# Altium PCB XTIDA-010086.PcbDoc (part 15 of 17)
Units mm, origin at the board's own origin, x right, y up, seen from the top; angles counter-clockwise.
Board outline 375 x 210 mm, 6 copper layers (Top Layer, GND Layer, Signal Layer 1, Signal Layer 2, Power Layer, Bottom Layer), stack 1.575 mm thick; 1884 components, 1036 nets, 4948 pads, 6791 vias.
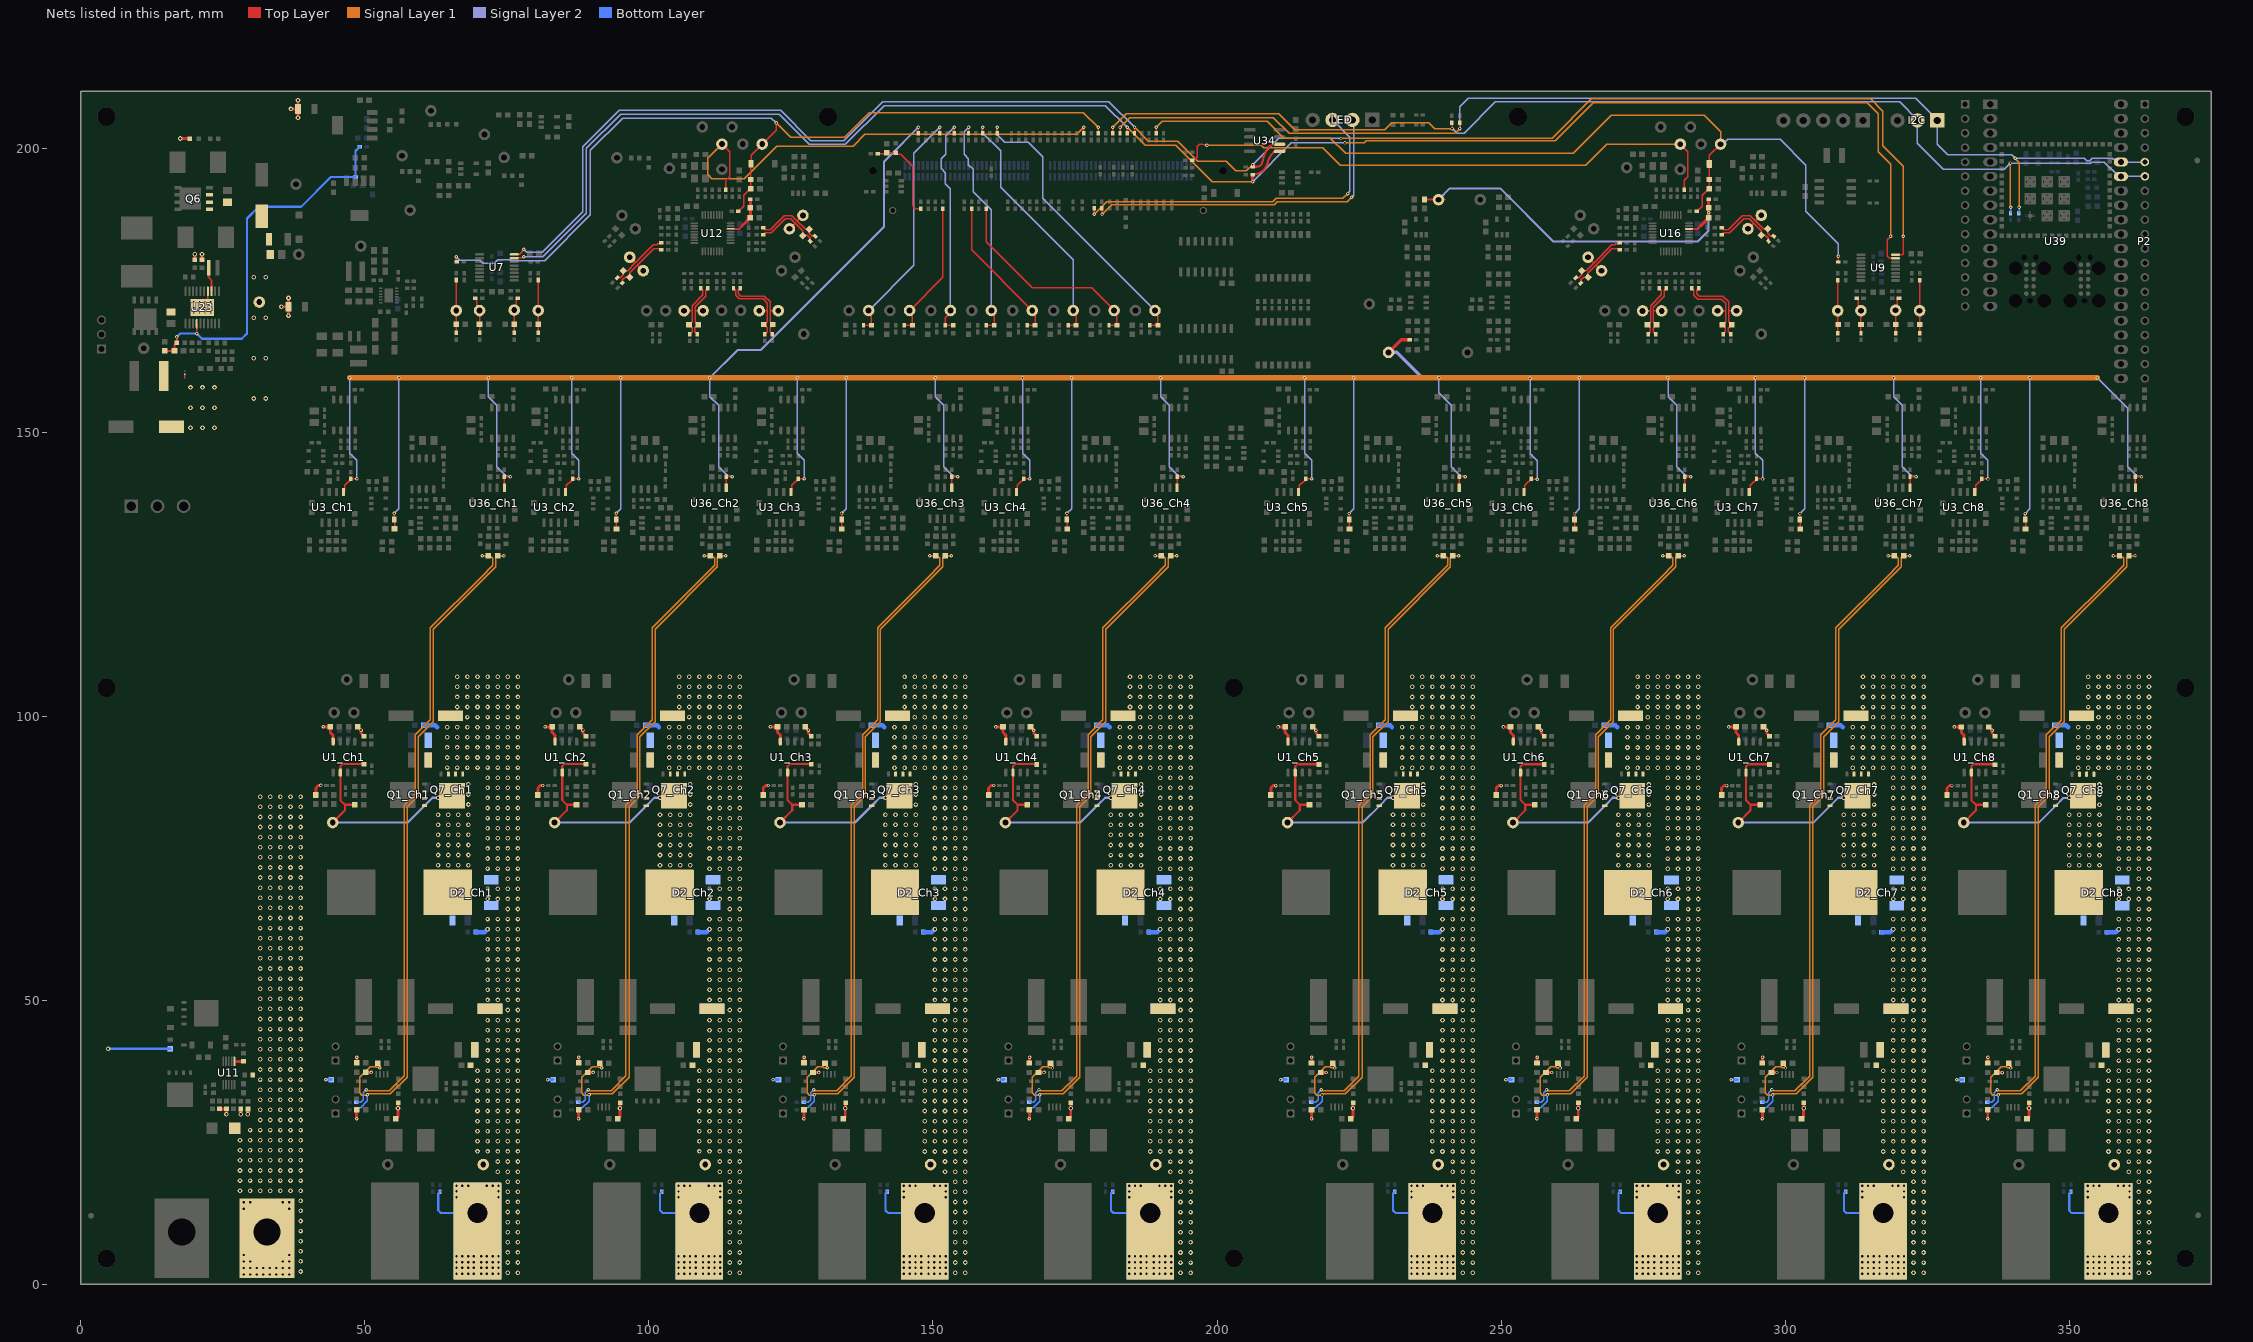
[diagram p19: the nets of this part, all layers, seen from the top]

## Via types
v1: diameter 0.813, hole 0.4, Top Layer to Bottom Layer, tented both sides, 4738 vias
v2: diameter 0.61, hole 0.3, Top Layer to Bottom Layer, tented both sides, 1254 vias
v3: diameter 0.813, hole 0.406, Top Layer to Bottom Layer, 728 vias
v4: diameter 0.5, hole 0.2, Top Layer to Bottom Layer, 40 vias
v5: diameter 5.45, hole 3.556, Top Layer to Bottom Layer, 16 vias
v6: diameter 5/3.65/3.65/3.65/3.65/5 (per signal layer), hole 3.2, Top Layer to Bottom Layer, 12 vias
v7: diameter 0.813, hole 0.4, Top Layer to Bottom Layer, 3 vias

## Nets (pads, with @x,y where several pads share a name; then routed paths per layer and width w, separated by ;. In a path a pad name is that pad's centre, name@x,y a point inside that pad or via, vN(x,y) a via of type N, cw(c..) or ccw(c..) an arc to the next point about the centre after c; other vN are vias at no path point) (continued)
PGND: (continued)
  other v3: 28.685,1.716 29.828,1.716 30.971,1.716 32.114,1.716 33.257,1.716 34.4,1.716 35.543,1.716 36.686,1.716 273.906,1.844 274.922,1.844 275.938,1.844 276.954,1.844 278.224,1.844 279.24,1.844 280.256,1.844 281.272,1.844 313.581,1.842 314.597,1.842 315.613,1.842 316.629,1.842 317.899,1.842 318.915,1.842 319.931,1.842 320.947,1.842 353.256,1.84 354.272,1.84 355.288,1.84 356.304,1.84 357.574,1.84 358.59,1.84 359.606,1.84 360.622,1.84 66.142,1.854 67.158,1.854 68.174,1.854 69.19,1.854 70.46,1.854 71.476,1.854 72.492,1.854 73.508,1.854 105.207,1.852 106.223,1.852 107.239,1.852 108.255,1.852 109.525,1.852 110.541,1.852 111.557,1.852 112.573,1.852 144.882,1.85 145.898,1.85 146.914,1.85 147.93,1.85 149.2,1.85 150.216,1.85 151.232,1.85 152.248,1.85 184.556,1.848 185.572,1.848 186.588,1.848 187.604,1.848 188.874,1.848 189.89,1.848 190.906,1.848 191.922,1.848 234.231,1.846 235.247,1.846 236.263,1.846 237.279,1.846 238.549,1.846 239.565,1.846 240.581,1.846 241.597,1.846 28.685,2.859 29.828,2.859 30.971,2.859 32.114,2.859 33.257,2.859 34.4,2.859 35.543,2.859 36.686,2.859 273.906,2.86 274.922,2.86 275.938,2.86 276.954,2.86 278.224,2.86 279.24,2.86 280.256,2.86 281.272,2.86 313.581,2.858 314.597,2.858 315.613,2.858 316.629,2.858 317.899,2.858 318.915,2.858 319.931,2.858 320.947,2.858 353.256,2.856 354.272,2.856 355.288,2.856 356.304,2.856 357.574,2.856 358.59,2.856 359.606,2.856 360.622,2.856 66.142,2.87 67.158,2.87 68.174,2.87 69.19,2.87 70.46,2.87 71.476,2.87 72.492,2.87 73.508,2.87 105.207,2.868 106.223,2.868 107.239,2.868 108.255,2.868 109.525,2.868 110.541,2.868 111.557,2.868 112.573,2.868 144.882,2.866 145.898,2.866 146.914,2.866 147.93,2.866 149.2,2.866 150.216,2.866 151.232,2.866 152.248,2.866 184.556,2.864 185.572,2.864 186.588,2.864 187.604,2.864 188.874,2.864 189.89,2.864 190.906,2.864 191.922,2.864 234.231,2.862 235.247,2.862 236.263,2.862 237.279,2.862 238.549,2.862 239.565,2.862 240.581,2.862 241.597,2.862 273.906,3.876 274.922,3.876 275.938,3.876 276.954,3.876 278.224,3.876 279.24,3.876 280.256,3.876 281.272,3.876 313.581,3.874 314.597,3.874 315.613,3.874 316.629,3.874 317.899,3.874 318.915,3.874 319.931,3.874 320.947,3.874 353.256,3.872 354.272,3.872 355.288,3.872 356.304,3.872 357.574,3.872 358.59,3.872 359.606,3.872 360.622,3.872 66.142,3.886 67.158,3.886 68.174,3.886 69.19,3.886 70.46,3.886 71.476,3.886 72.492,3.886 73.508,3.886 105.207,3.884 106.223,3.884 107.239,3.884 108.255,3.884 109.525,3.884 110.541,3.884 111.557,3.884 112.573,3.884 144.882,3.882 145.898,3.882 146.914,3.882 147.93,3.882 149.2,3.882 150.216,3.882 151.232,3.882 152.248,3.882 184.556,3.88 185.572,3.88 186.588,3.88 187.604,3.88 188.874,3.88 189.89,3.88 190.906,3.88 191.922,3.88 234.231,3.878 235.247,3.878 236.263,3.878 237.279,3.878 238.549,3.878 239.565,3.878 240.581,3.878 241.597,3.878 28.685,4.002 29.828,4.002 35.543,4.002 36.686,4.002 273.906,4.892 274.922,4.892 275.938,4.892 276.954,4.892 278.224,4.892 279.24,4.892 280.256,4.892 281.272,4.892 313.581,4.89 314.597,4.89 315.613,4.89 316.629,4.89 317.899,4.89 318.915,4.89 319.931,4.89 320.947,4.89 353.256,4.888 354.272,4.888 355.288,4.888 356.304,4.888 357.574,4.888 358.59,4.888 359.606,4.888 360.622,4.888 66.142,4.902 67.158,4.902 68.174,4.902 69.19,4.902 70.46,4.902 71.476,4.902 72.492,4.902 73.508,4.902 105.207,4.9 106.223,4.9 107.239,4.9 108.255,4.9 109.525,4.9 110.541,4.9 111.557,4.9 112.573,4.9 144.882,4.898 145.898,4.898 146.914,4.898 147.93,4.898 149.2,4.898 150.216,4.898 151.232,4.898 152.248,4.898 184.556,4.896 185.572,4.896 186.588,4.896 187.604,4.896 188.874,4.896 189.89,4.896 190.906,4.896 191.922,4.896 234.231,4.894 235.247,4.894 236.263,4.894 237.279,4.894 238.549,4.894 239.565,4.894 240.581,4.894 241.597,4.894 28.685,5.145 36.686,5.145 28.685,13.273 36.686,13.273 28.685,14.416 29.828,14.416 35.543,14.416 36.686,14.416 273.906,15.306 281.272,15.306 313.581,15.304 320.947,15.304 353.256,15.302 360.622,15.302 66.142,15.316 73.508,15.316 105.207,15.314 112.573,15.314 144.882,15.312 152.248,15.312 184.556,15.31 191.922,15.31 234.231,15.308 241.597,15.308 273.906,16.322 281.272,16.322 313.581,16.32 320.947,16.32 353.256,16.318 360.622,16.318 66.142,16.332 73.508,16.332 105.207,16.33 112.573,16.33 144.882,16.328 152.248,16.328 184.556,16.326 191.922,16.326 234.231,16.324 241.597,16.324 273.906,17.338 274.922,17.338 275.938,17.338 279.24,17.338 280.256,17.338 281.272,17.338 313.581,17.336 314.597,17.336 315.613,17.336 318.915,17.336 319.931,17.336 320.947,17.336 353.256,17.334 354.272,17.334 355.288,17.334 358.59,17.334 359.606,17.334 360.622,17.334 66.142,17.348 67.158,17.348 68.174,17.348 71.476,17.348 72.492,17.348 73.508,17.348 105.207,17.346 106.223,17.346 107.239,17.346 110.541,17.346 111.557,17.346 112.573,17.346 144.882,17.344 145.898,17.344 146.914,17.344 150.216,17.344 151.232,17.344 152.248,17.344 184.556,17.342 185.572,17.342 186.588,17.342 189.89,17.342 190.906,17.342 191.922,17.342 234.231,17.34 235.247,17.34 236.263,17.34 239.565,17.34 240.581,17.34 241.597,17.34
  other v4: 19.874,170.95 20.874,170.95 21.874,170.95 22.874,170.95 19.874,171.95 20.874,171.95 21.874,171.95 22.874,171.95 19.874,172.95 20.874,172.95 21.874,172.95 22.874,172.95
RESET1: C72.2 R109.1 R114.2 R171.2 R284.1 S1.1 TP17.1 | length 155.5
  Top Layer w0.254: v2(66.088,180.848) 66.088,180.06 R171.2@66.187,179.962 ; R114.2@115.741,188.849 116.676,189.784 116.676,191.659 117.854,192.837 R109.1@117.948,192.837 C72.2@117.948,194.463 117.948,197.211 S1.1@117.968,197.231 117.968,198.712 TP17.1@119.942,200.686 122.411,203.155 v2(122.411,204.419) ; R284.1@179.107,202.606 v2(179.107,203.633)
  Signal Layer 1 w0.254: v2(122.411,204.419) 124.951,201.879 134.442,201.879 138.811,206.248 176.492,206.248 v2(179.107,203.633)
  Signal Layer 2 w0.254: v2(66.088,180.848) 66.698,180.238 70.256,180.238 70.79,179.705 72.745,179.705 73.38,180.34 75.514,180.34 75.717,180.137 81.636,180.137 89.709,188.21 89.709,199.589 95.377,205.257 121.573,205.257 v2(122.411,204.419)
RESET2: C93.2 R140.1 R145.2 R193.2 R239.1 S2.1 TP23.1 | length 159.6
  Top Layer w0.254: R239.1@189.299,202.606 v2(189.299,203.633) ; R145.2@284.44,188.841 285.375,189.776 285.375,191.651 286.553,192.829 R140.1@286.647,192.829 C93.2@286.647,194.455 286.647,197.203 S2.1@286.668,197.223 286.668,198.704 TP23.1@288.641,200.678 ; R193.2@309.352,179.932 309.392,179.971 v2(309.392,180.961)
  Signal Layer 1 w0.254: v2(189.299,203.633) 190.34,204.673 208.812,204.673 211.733,201.752 219.958,201.752 222.625,199.085 262.705,199.085 269.385,205.765 285.775,205.765 288.641,202.9 TP23.1@288.641,200.678
  Signal Layer 2 w0.254: TP23.1@288.641,200.678 289.081,200.678 289.902,201.498 299.136,201.498 303.632,197.002 303.632,188.9 309.392,183.14 v2(309.392,180.961)
SCIRXA: LED.3 R57.1 | length 61.5
  Top Layer w0.254: v2(178.39,188.338) R57.1@178.39,189.364
  Signal Layer 1 w0.254: v2(178.39,188.338) 180.629,190.576 209.852,190.576 210.411,191.135 222.138,191.135 v2(222.99,191.987)
  Signal Layer 2 w0.254: LED.3@220.33,204.94 223.385,201.884 223.385,192.382 v2(222.99,191.987)
SCITXA: LED.2 R23.1 | length 60.1
  Top Layer w0.254: v2(179.756,188.338) R23.1@179.756,189.364
  Signal Layer 1 w0.254: v2(179.756,188.338) 181.436,190.017 210.083,190.017 210.642,190.576 222.97,190.576 v2(223.735,191.342)
  Signal Layer 2 w0.254: v2(223.735,191.342) 224.079,191.685 224.079,204.691 LED.2@223.83,204.94
SCL: R220.2 R241.1 U7.16 U9.16 U34.6 | length 311.3
  Top Layer w0.254: U7.16@76.288,181.262 77.267,181.262 77.639,181.634 77.639,181.759 77.955,182.075 v2(77.955,182.171) ; R220.2@185.477,202.606 v2(185.477,203.633) ; U9.16@319.454,181.232 320.646,181.232 320.825,181.41 320.825,184.432 v2(320.802,184.455)
  Top Layer w0.381: R241.1@206.309,196.706 207.038,196.706 ccw(c207.038,197.659) 207.974,197.481 cw(c214.657,196.219) 208.971,199.951 cw(c210.237,199.115) 210.237,200.632 210.725,200.632 ccw(c210.725,201.585) 210.968,200.664 U34.6@211.007,200.675 U34.6@211.007,200.675
  Top Layer w0.508: v2(206.263,197.079) R241.1@206.263,196.66 R241.1@206.309,196.706
  Signal Layer 1 w0.254: v2(185.477,203.633) 187.917,201.193 193.116,201.193 196.647,197.663 201.625,197.663 203.288,196 205.185,196 v2(206.263,197.079) ; v2(221.818,201.676) 225.456,201.676 225.532,201.752 259.004,201.752 265.887,208.636 315.036,208.636 317.221,206.451 317.221,200.381 320.802,196.799 v2(320.802,184.455)
  Signal Layer 2 w0.254: v2(77.955,182.171) 78.466,181.661 81.204,181.661 88.341,188.798 88.341,200.197 94.748,206.604 123.184,206.604 128.467,201.32 134.315,201.32 141.122,208.128 180.982,208.128 v2(185.477,203.633) ; v2(206.263,197.079) 210.861,201.676 v2(221.818,201.676)
SCLA: I2C.1 P2.5 R187.2 R258.1 R311.2 U39.20 | length 206.5
  Top Layer w0.254: R187.2@182.929,202.606 v2(182.929,203.633) ; v2(242.748,203.429) R258.1@242.748,204.48
  Signal Layer 1 w0.254: v2(182.929,203.633) 184.618,205.322 209.917,205.322 212.674,202.565 241.884,202.565 v2(242.748,203.429) ; v2(340.524,198.176) 340.524,198.08 341.181,197.423 v2(341.181,189.556)
  Signal Layer 2 w0.254: v2(242.748,203.429) 242.748,207.244 244.266,208.763 259.981,208.763 323.037,208.763 326.796,205.003 326.796,200.671 328.611,198.857 339.862,198.857 340.537,198.182 352.66,198.182 353.078,197.763 353.646,197.763 354.065,198.182 357.623,198.182 357.765,198.04 358.614,198.04 U39.20@359.118,197.536 P2.5@363.325,197.536
  Bottom Layer w0.254: R311.2@341.181,188.566 v2(341.181,189.556)
SCLK1: R106.2 R280.2 TP14.1 | length 86.5
  Top Layer w0.254: TP14.1@112.855,200.686 114.198,199.343 114.198,194.973 113.516,194.29 R106.2@113.516,192.65 ; R280.2@176.559,202.606 v2(176.559,203.633)
  Signal Layer 1 w0.254: TP14.1@112.855,200.686 110.338,198.168 110.338,195.377 111.1,194.615 116.819,194.615 122.534,200.33 135.928,200.33 138.011,202.413 175.339,202.413 v2(176.559,203.633)
SCLK2: R137.2 R288.1 TP20.1 | length 100.2
  Top Layer w0.254: R288.1@195.633,197.873 195.781,198.021 196.176,198.021 196.548,198.393 196.548,200.306 196.92,200.678 197.513,200.678 197.64,200.55 198.154,200.55 v2(198.222,200.482) ; TP20.1@281.554,200.678 282.897,199.335 282.897,194.965 282.215,194.282 R137.2@282.215,192.642
  Signal Layer 1 w0.254: v2(198.222,200.482) 207.76,200.482 208.205,200.037 218.587,200.037 221.698,196.926 264.874,196.926 268.625,200.678 TP20.1@281.554,200.678
SDA: R60.2 R242.1 U7.15 U9.15 U34.5 | length 311.3
  Top Layer w0.254: U7.15@76.288,180.612 76.326,180.649 77.66,180.649 77.859,180.848 v2(77.955,180.848) ; R60.2@184.203,202.606 v2(184.203,203.633) ; v2(318.567,184.455) 318.567,184.359 318.019,183.811 318.019,180.954 318.391,180.582 U9.15@319.454,180.582
  Top Layer w0.381: R242.1@206.263,195.288 cw(c206.737,194.462) 206.65,195.411 ccw(c206.418,197.962) 208.918,197.404 208.919,197.408 cw(c212.423,196.628) 209.951,199.231 cw(c210.605,198.538) 210.942,199.429 210.944,199.429 U34.5@211.007,199.405
  Top Layer w0.508: v2(206.263,194.075) R242.1@206.263,195.288
  Signal Layer 1 w0.254: v2(184.203,203.633) 187.354,200.482 192.735,200.482 199.142,194.075 v2(206.263,194.075) ; v2(222.529,200.889) 225.908,200.889 226.289,201.27 259.53,201.27 266.21,207.95 314.483,207.95 316.408,206.025 316.408,199.314 318.567,197.155 v2(318.567,184.455)
  Signal Layer 2 w0.254: v2(77.955,180.848) 81.325,180.848 89.002,188.525 89.002,199.923 95.021,205.943 122.911,205.943 128.194,200.66 134.589,200.66 141.396,207.467 180.369,207.467 v2(184.203,203.633) ; v2(206.263,194.075) 213.076,200.889 v2(222.529,200.889)
SDAA: I2C.2 P2.6 R173.2 R259.1 R310.2 U39.21 | length 207.2
  Top Layer w0.254: R173.2@181.655,202.606 v2(181.655,203.633) ; R259.1@241.351,204.48 241.376,204.454 v2(241.376,203.429)
  Signal Layer 1 w0.254: v2(181.655,203.633) 184.067,206.045 210.829,206.045 213.689,203.185 229.499,203.185 230.753,204.438 237.293,204.438 238.303,203.429 v2(241.376,203.429) ; v2(339.66,197.352) 339.66,189.598 v2(339.702,189.556)
  Signal Layer 2 w0.254: v2(241.376,203.429) 241.472,203.429 242.26,202.641 243.484,202.641 248.945,208.102 320.192,208.102 323.291,205.003 323.291,200.845 326.601,197.536 327.845,196.291 338.607,196.291 339.673,197.357 353.815,197.357 353.994,197.536 356.185,197.536 358.725,194.996 P2.6@363.325,194.996
  Bottom Layer w0.254: R310.2@339.702,188.566 v2(339.702,189.556)
SW_Ch1: C1_Ch1.2 C2_Ch1.1 D2_Ch1.4 L2_Ch1.1 Q1_Ch1.1 Q1_Ch1.2 Q1_Ch1.3 Q7_Ch1.5 Q7_Ch1.6 Q7_Ch1.7 Q7_Ch1.8 Q7_Ch1.9@65.329,85.991 R9_Ch1.1 R18_Ch1.1 TP2_Ch1.1 U1_Ch1.6 | length 37.5
  Top Layer w0.381: TP2_Ch1.1@44.333,81.262 46.486,83.415 46.486,84.406 ; R18_Ch1.1@48.193,84.406 46.486,84.406 ; C1_Ch1.2@49.843,91.487 49.786,91.544 46.053,91.544 45.679,91.17 U1_Ch1.6@45.679,90.063 45.679,85.213 46.486,84.406
  Signal Layer 2 w0.381: TP2_Ch1.1@44.333,81.262 57.539,81.262 60.706,84.43 61.9,85.623 v1(62.89,85.623)
  other v1: 62.89,73.762 64.668,73.762 66.446,73.762 68.224,73.762 62.89,75.54 64.668,75.54 66.446,75.54 68.224,75.54 62.89,77.318 64.668,77.318 66.446,77.318 68.224,77.318 62.89,79.096 64.668,79.096 66.446,79.096 68.224,79.096 62.89,80.874 64.668,80.874 66.446,80.874 68.224,80.874 62.89,82.652 64.668,82.652 66.446,82.652 68.224,82.652 68.224,84.43 68.224,86.208 68.224,87.986
SW_Ch2: C1_Ch2.2 C2_Ch2.1 D2_Ch2.4 L2_Ch2.1 Q1_Ch2.1 Q1_Ch2.2 Q1_Ch2.3 Q7_Ch2.5 Q7_Ch2.6 Q7_Ch2.7 Q7_Ch2.8 Q7_Ch2.9@104.394,85.989 R9_Ch2.1 R18_Ch2.1 TP2_Ch2.1 U1_Ch2.6 | length 37.5
  Top Layer w0.381: TP2_Ch2.1@83.398,81.26 85.551,83.413 85.551,84.404 ; R18_Ch2.1@87.258,84.404 85.551,84.404 ; C1_Ch2.2@88.908,91.485 88.851,91.542 85.118,91.542 84.744,91.168 U1_Ch2.6@84.744,90.061 84.744,85.211 85.551,84.404
  Signal Layer 2 w0.381: TP2_Ch2.1@83.398,81.26 96.604,81.26 99.771,84.428 100.965,85.621 v1(101.956,85.621)
  other v1: 101.956,73.76 103.734,73.76 105.512,73.76 107.29,73.76 101.956,75.538 103.734,75.538 105.512,75.538 107.29,75.538 101.956,77.316 103.734,77.316 105.512,77.316 107.29,77.316 101.956,79.094 103.734,79.094 105.512,79.094 107.29,79.094 101.956,80.872 103.734,80.872 105.512,80.872 107.29,80.872 101.956,82.65 103.734,82.65 105.512,82.65 107.29,82.65 107.29,84.428 107.29,86.206 107.29,87.984
SW_Ch3: C1_Ch3.2 C2_Ch3.1 D2_Ch3.4 L2_Ch3.1 Q1_Ch3.1 Q1_Ch3.2 Q1_Ch3.3 Q7_Ch3.5 Q7_Ch3.6 Q7_Ch3.7 Q7_Ch3.8 Q7_Ch3.9@144.069,85.987 R9_Ch3.1 R18_Ch3.1 TP2_Ch3.1 U1_Ch3.6 | length 37.5
  Top Layer w0.381: TP2_Ch3.1@123.073,81.258 125.226,83.411 125.226,84.402 ; R18_Ch3.1@126.933,84.402 125.226,84.402 ; C1_Ch3.2@128.583,91.483 128.526,91.54 124.793,91.54 124.419,91.166 U1_Ch3.6@124.419,90.059 124.419,85.209 125.226,84.402
  Signal Layer 2 w0.381: TP2_Ch3.1@123.073,81.258 136.279,81.258 139.446,84.426 140.64,85.619 v1(141.63,85.619)
  other v1: 141.63,73.758 143.408,73.758 145.186,73.758 146.964,73.758 141.63,75.536 143.408,75.536 145.186,75.536 146.964,75.536 141.63,77.314 143.408,77.314 145.186,77.314 146.964,77.314 141.63,79.092 143.408,79.092 145.186,79.092 146.964,79.092 141.63,80.87 143.408,80.87 145.186,80.87 146.964,80.87 141.63,82.648 143.408,82.648 145.186,82.648 146.964,82.648 146.964,84.426 146.964,86.204 146.964,87.982
SW_Ch4: C1_Ch4.2 C2_Ch4.1 D2_Ch4.4 L2_Ch4.1 Q1_Ch4.1 Q1_Ch4.2 Q1_Ch4.3 Q7_Ch4.5 Q7_Ch4.6 Q7_Ch4.7 Q7_Ch4.8 Q7_Ch4.9@183.744,85.985 R9_Ch4.1 R18_Ch4.1 TP2_Ch4.1 U1_Ch4.6 | length 37.5
  Top Layer w0.381: TP2_Ch4.1@162.748,81.256 164.901,83.409 164.901,84.4 ; R18_Ch4.1@166.608,84.4 164.901,84.4 ; C1_Ch4.2@168.258,91.481 168.201,91.538 164.468,91.538 164.093,91.164 U1_Ch4.6@164.093,90.057 164.093,85.207 164.901,84.4
  Signal Layer 2 w0.381: TP2_Ch4.1@162.748,81.256 175.954,81.256 179.121,84.424 180.315,85.617 v1(181.305,85.617)
  other v1: 181.305,73.756 183.083,73.756 184.861,73.756 186.639,73.756 181.305,75.534 183.083,75.534 184.861,75.534 186.639,75.534 181.305,77.312 183.083,77.312 184.861,77.312 186.639,77.312 181.305,79.09 183.083,79.09 184.861,79.09 186.639,79.09 181.305,80.868 183.083,80.868 184.861,80.868 186.639,80.868 181.305,82.646 183.083,82.646 184.861,82.646 186.639,82.646 186.639,84.424 186.639,86.202 186.639,87.98
SW_Ch5: C1_Ch5.2 C2_Ch5.1 D2_Ch5.4 L2_Ch5.1 Q1_Ch5.1 Q1_Ch5.2 Q1_Ch5.3 Q7_Ch5.5 Q7_Ch5.6 Q7_Ch5.7 Q7_Ch5.8 Q7_Ch5.9@233.418,85.983 R9_Ch5.1 R18_Ch5.1 TP2_Ch5.1 U1_Ch5.6 | length 37.5
  Top Layer w0.381: TP2_Ch5.1@212.423,81.254 214.576,83.407 214.576,84.398 ; R18_Ch5.1@216.283,84.398 214.576,84.398 ; C1_Ch5.2@217.933,91.479 217.876,91.536 214.143,91.536 213.768,91.162 U1_Ch5.6@213.768,90.055 213.768,85.205 214.576,84.398
  Signal Layer 2 w0.381: TP2_Ch5.1@212.423,81.254 225.628,81.254 228.796,84.422 229.989,85.615 v1(230.98,85.615)
  other v1: 230.98,73.754 232.758,73.754 234.536,73.754 236.314,73.754 230.98,75.532 232.758,75.532 234.536,75.532 236.314,75.532 230.98,77.31 232.758,77.31 234.536,77.31 236.314,77.31 230.98,79.088 232.758,79.088 234.536,79.088 236.314,79.088 230.98,80.866 232.758,80.866 234.536,80.866 236.314,80.866 230.98,82.644 232.758,82.644 234.536,82.644 236.314,82.644 236.314,84.422 236.314,86.2 236.314,87.978
SW_Ch6: C1_Ch6.2 C2_Ch6.1 D2_Ch6.4 L2_Ch6.1 Q1_Ch6.1 Q1_Ch6.2 Q1_Ch6.3 Q7_Ch6.5 Q7_Ch6.6 Q7_Ch6.7 Q7_Ch6.8 Q7_Ch6.9@273.093,85.981 R9_Ch6.1 R18_Ch6.1 TP2_Ch6.1 U1_Ch6.6 | length 37.5
  Top Layer w0.381: TP2_Ch6.1@252.097,81.252 254.25,83.405 254.25,84.396 ; R18_Ch6.1@255.958,84.396 254.25,84.396 ; C1_Ch6.2@257.608,91.477 257.55,91.535 253.817,91.535 253.443,91.16 U1_Ch6.6@253.443,90.053 253.443,85.203 254.25,84.396
  Signal Layer 2 w0.381: TP2_Ch6.1@252.097,81.252 265.303,81.252 268.47,84.42 269.664,85.613 v1(270.655,85.613)
  other v1: 270.655,73.752 272.433,73.752 274.211,73.752 275.989,73.752 270.655,75.53 272.433,75.53 274.211,75.53 275.989,75.53 270.655,77.308 272.433,77.308 274.211,77.308 275.989,77.308 270.655,79.086 272.433,79.086 274.211,79.086 275.989,79.086 270.655,80.864 272.433,80.864 274.211,80.864 275.989,80.864 270.655,82.642 272.433,82.642 274.211,82.642 275.989,82.642 275.989,84.42 275.989,86.198 275.989,87.976
SW_Ch7: C1_Ch7.2 C2_Ch7.1 D2_Ch7.4 L2_Ch7.1 Q1_Ch7.1 Q1_Ch7.2 Q1_Ch7.3 Q7_Ch7.5 Q7_Ch7.6 Q7_Ch7.7 Q7_Ch7.8 Q7_Ch7.9@312.768,85.979 R9_Ch7.1 R18_Ch7.1 TP2_Ch7.1 U1_Ch7.6 | length 37.5
  Top Layer w0.381: TP2_Ch7.1@291.772,81.25 293.925,83.403 293.925,84.394 ; R18_Ch7.1@295.632,84.394 293.925,84.394 ; C1_Ch7.2@297.282,91.475 297.225,91.533 293.492,91.533 293.118,91.158 U1_Ch7.6@293.118,90.051 293.118,85.201 293.925,84.394
  Signal Layer 2 w0.381: TP2_Ch7.1@291.772,81.25 304.978,81.25 308.145,84.418 309.339,85.611 v1(310.33,85.611)
  other v1: 310.33,73.75 312.108,73.75 313.886,73.75 315.664,73.75 310.33,75.528 312.108,75.528 313.886,75.528 315.664,75.528 310.33,77.306 312.108,77.306 313.886,77.306 315.664,77.306 310.33,79.084 312.108,79.084 313.886,79.084 315.664,79.084 310.33,80.862 312.108,80.862 313.886,80.862 315.664,80.862 310.33,82.64 312.108,82.64 313.886,82.64 315.664,82.64 315.664,84.418 315.664,86.196 315.664,87.974
SW_Ch8: C1_Ch8.2 C2_Ch8.1 D2_Ch8.4 L2_Ch8.1 Q1_Ch8.1 Q1_Ch8.2 Q1_Ch8.3 Q7_Ch8.5 Q7_Ch8.6 Q7_Ch8.7 Q7_Ch8.8 Q7_Ch8.9@352.443,85.977 R9_Ch8.1 R18_Ch8.1 TP2_Ch8.1 U1_Ch8.6 | length 37.5
  Top Layer w0.381: TP2_Ch8.1@331.447,81.248 333.6,83.401 333.6,84.392 ; R18_Ch8.1@335.307,84.392 333.6,84.392 ; C1_Ch8.2@336.957,91.473 336.9,91.531 333.167,91.531 332.793,91.156 U1_Ch8.6@332.793,90.049 332.793,85.199 333.6,84.392
  Signal Layer 2 w0.381: TP2_Ch8.1@331.447,81.248 344.653,81.248 347.82,84.416 349.014,85.609 v1(350.004,85.609)
  other v1: 350.004,73.748 351.782,73.748 353.56,73.748 355.338,73.748 350.004,75.526 351.782,75.526 353.56,75.526 355.338,75.526 350.004,77.304 351.782,77.304 353.56,77.304 355.338,77.304 350.004,79.082 351.782,79.082 353.56,79.082 355.338,79.082 350.004,80.86 351.782,80.86 353.56,80.86 355.338,80.86 350.004,82.638 351.782,82.638 353.56,82.638 355.338,82.638 355.338,84.416 355.338,86.194 355.338,87.972